# Altium PCB FPC-R-V2.1.PcbDoc
Units mm, origin at the board's own origin, x right, y up, seen from the top; angles counter-clockwise.
Board outline 16.62 x 30.56 mm, 2 copper layers (Top Layer, Bottom Layer); 10 components, 11 nets, 36 pads, 42 vias.
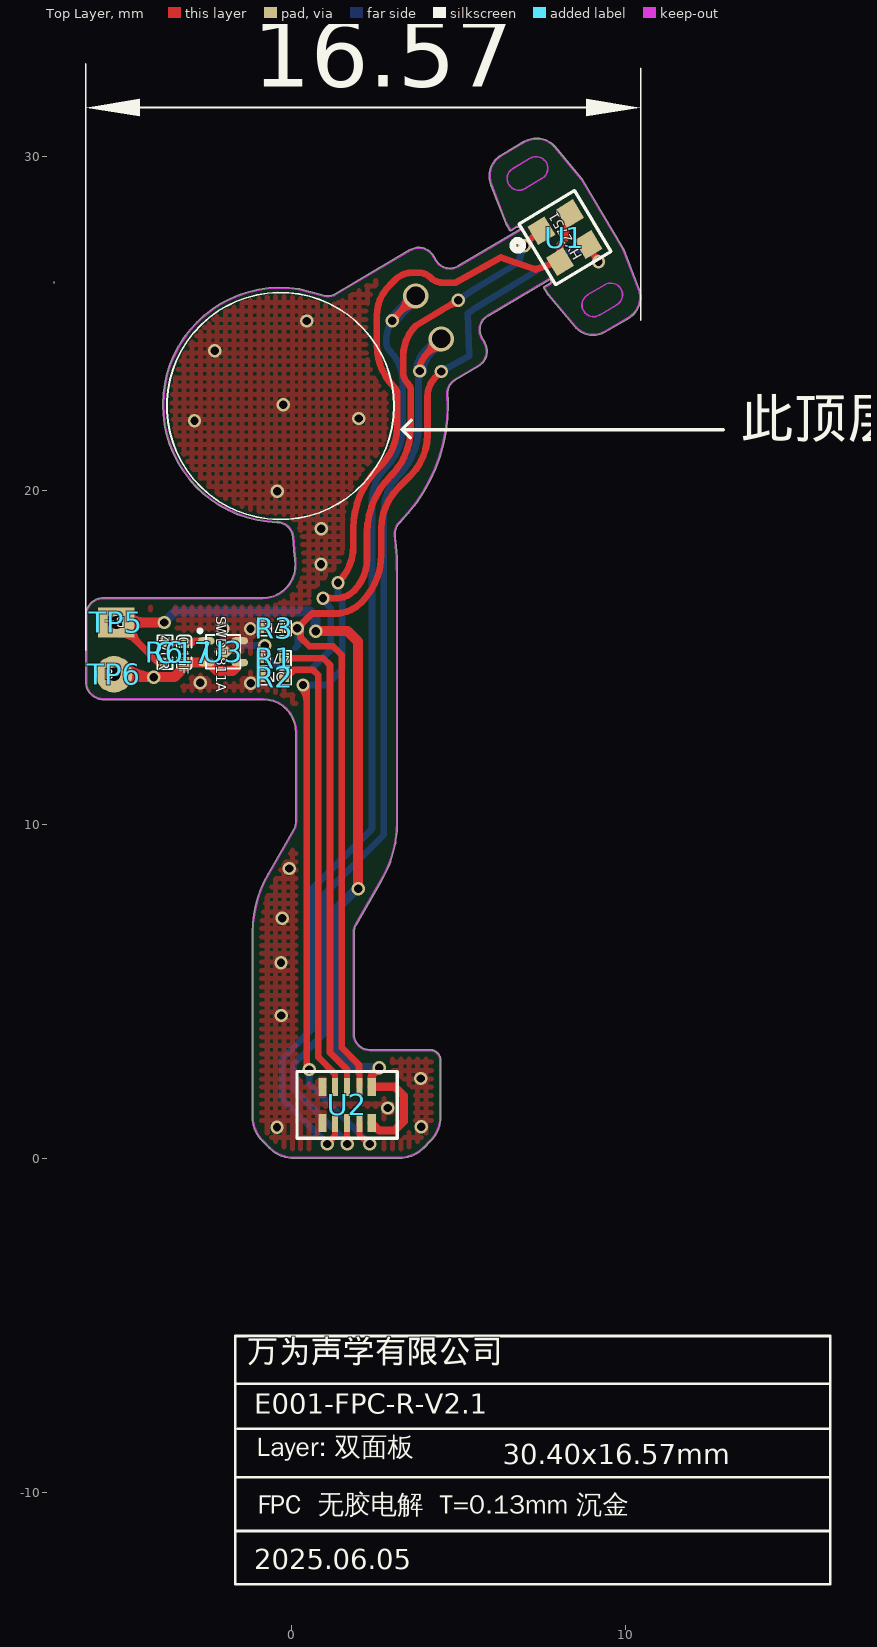
[diagram p0: Top Layer view]
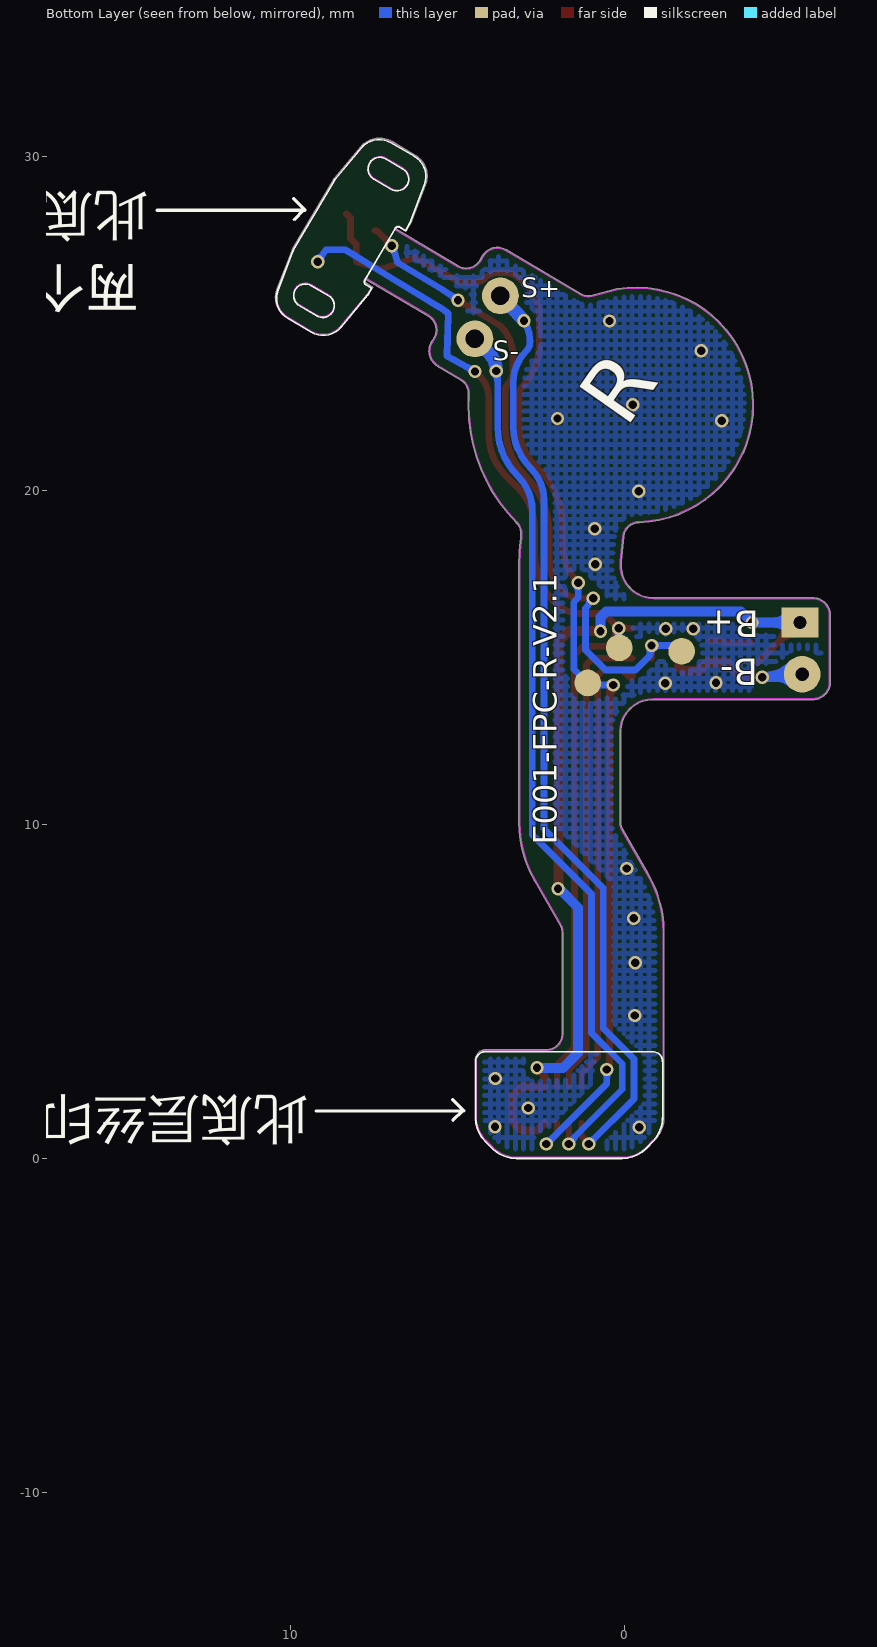
[diagram p1: Bottom Layer view, seen from below]
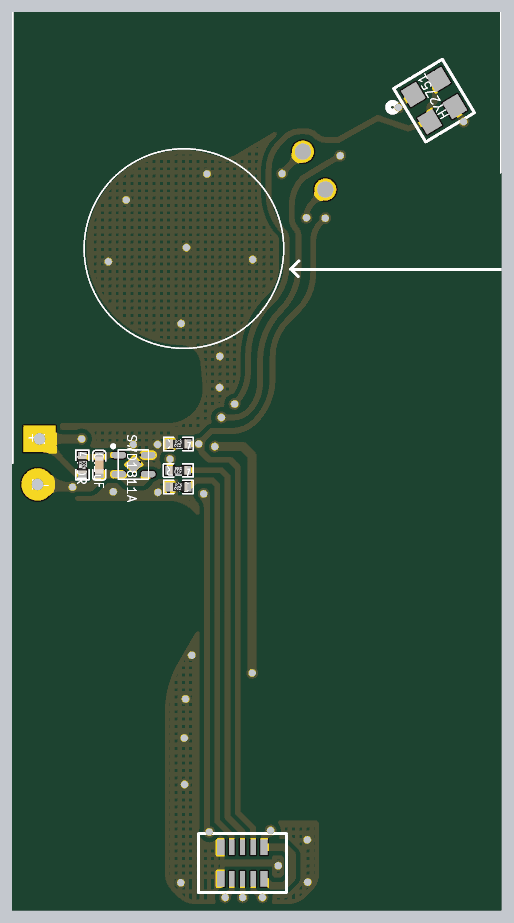
[diagram p2: 3D render of the assembled board from above, using the file's embedded part models]

## Layer stack, top to bottom
Top Layer: signal copper 0.0356
Dielectric: dielectric 0.32, FR-4, Dk 4.8
Bottom Layer: signal copper 0.0356

## Board outline
1266 vertices, not listed, extent -6.166,0.005 10.455,30.56

## Design rules (kind name [scope] priority, off if disabled: settings)
Clearance [All] p1: gap=0.15
ComponentClearance [All] p1: gap=0 collisioncheckmode=3 verticalgap=0 showdistances=FALSE
HoleToHoleClearance [All] p1: gap=0 allowstackedmicrovias=TRUE
MinimumSolderMaskSliver [All] p1: minsoldermaskwidth=0
PlaneConnect [All] p1: planeconnectstyle=Direct reliefexpansion=0.508 reliefentries=4 reliefconductorwidth=0.254 reliefairgap=0.254
PolygonConnect [All] p1: connectstyle=Direct reliefconductorwidth=0.254 reliefentries=4 polygonreliefangle="90 Angle"
RoutingVias [All] p1: holewidth=0.25 width=0.4 viastyle="Through Hole" minholewidth=0.2 minwidth=0.4 maxholewidth=0.711 maxwidth=1.27
SilkToSilkClearance [All] p1: silktosilkclearance=0
SilkscreenOverComponentPads SilkToSolderMaskClearance [IsPad] p1: minsilkscreentomaskgap=0
SolderMaskExpansion [All] p1: expansion=0.05
Width [All] p1: maxlimit=0.5 minlimit=0.15 preferedwidth=0.15
22 further rules are at their usual default settings.

## Components (designator, comment, footprint, x,y, rotation, side; value= is the part's Value field where it differs from the comment)
C17 "0.1uF" C0201 -3.222,14.861 r90 top
R1 "47R" R0201 -0.815,14.982 r0 top
R2 "NC" R0201 -0.812,14.416 r0 top
R3 "47K" R0201 -0.813,15.881 r0 top
R6 "470R" R0201 -3.797,14.873 r90 top
TP5 "B+" TP#1 -5.255,16.051 r90 top
TP6 "B-" TP#2 -5.32,14.5 r90 top
U1 "HY2751" SMD_HY 8.188,27.578 r121 top
U2 "" KX035GM-08 1.66,1.6 r0 top
U3 "SWD1811A" DFN1X1-4 -2.554,15.499 r270 top

## Footprints (in the part's own frame and the unit in brackets; to place one, negate y for a bottom-side part, rotate by r counter-clockwise, add the part's x,y. Pads: shape width x height; smd on the part's side, far side on the other; paste and mask are expansions set on the pad)
C0201 [mm]
  rect 0.3x0.3 smd: 1(0,0) 2(0.58,0)
  silkscreen extent -0.22,-0.23 0.8,0.22, body extent 0,-0.15 0.6,0.15, height 0.15
DFN1X1-4 [mm]
  rect 0.4x0.4 smd rot 45: 0(0.325,0.513)
  oval 0.22x0.5 smd: 1(0,0) 2(0.65,0) 3(0.65,1) 4(0,1)
  silkscreen extent -0.35,-0.25 0.83,1.01
KX035GM-08 [mm]
  rect 0.18x0.53 smd: 1(-0.367,-0.54) 2(0,-0.54) 3(0.367,-0.54) 5(0.367,0.54) 6(0,0.54) 7(-0.367,0.54)
  rect 0.25x0.53 smd: 4(0.735,-0.54) 4(0.735,0.54) 8(-0.735,-0.54) 8(-0.735,0.54)
  silkscreen extent -1.5,-1 1.5,1
R0201 [mm]
  rect 0.3x0.3 smd: 1(0,0) 2(0.58,0)
  silkscreen extent -0.22,-0.23 0.8,0.22, body extent 0,-0.15 0.6,0.15, height 0.15
SMD_HY [mm]
  rect 0.65x0.6 smd: 1(0.54,0.5) 2(-0.54,0.5) 3(-0.54,-0.5) 4(0.54,-0.5)
  silkscreen extent -1.06,-0.97 1.06,1.48
TP#1 [mm]
  rect 0.9x1.1 hole 0.4: 1(0,0)
TP#2 [mm]
  round 1.1 hole 0.4: 1(0,0)

## Part data
C17: library part CAP, "CAP"
R1: library part RC0201FR-07220RL
R2 R3: library part 0201WMF4702TEE
R6: library part RES, "RES"
TP5 TP6: library part TP-1, "TP"
U2: library part KX035GM-08
U3: library part XB6042

## Free pads (board coordinates)
  round 1.1 smd far side: 1(3.718,25.837) 2(4.482,24.546)
  round 0.8 smd far side: 2(0.16,15.29) 3(1.1,14.24) 4(-1.71,15.19)

## Via types
v1: diameter 0.4, hole 0.25, Top Layer to Bottom Layer, tented both sides, 40 vias
v2: diameter 0.75, hole 0.55, Top Layer to Bottom Layer, 2 vias

## Nets (pads, with @x,y where several pads share a name; then routed paths per layer and width w, separated by ;. In a path a pad name is that pad's centre, name@x,y a point inside that pad or via, vN(x,y) a via of type N, cw(c..) or ccw(c..) an arc to the next point about the centre after c; other vN are vias at no path point)
BOAT_PL: R2.2 U2.7 | length 13.7
  Top Layer w0.18: 1.268,2.558 1.292,2.534 U2.7
  Top Layer w0.2: R2.2@-0.242,14.466 R2.2@-0.232,14.466 ; R2.2 -0.147,14.416 0.068,14.631 0.638,14.631 0.8,14.47 0.8,14.33 0.8,14.246 0.8,3.027 1.268,2.558
EAR_DET_IO0: R1.2 U2.6 | length 14.3
  Top Layer w0.18: U2.6 1.66,2.63
  Top Layer w0.2: R1.2 0.949,14.981 1.15,14.78 1.15,14.34 1.15,3.171 1.66,2.661 1.66,2.63
EAR_DET_IO1: pad.2@0.16,15.29 R3.2 U1.3 U2.5 | length 37.1
  Top Layer w0.18: U2.5 2.027,2.55
  Top Layer w0.2: R3.2 0.16,15.881 v1@0.19,15.911 ; -0.074,15.881 cw(c-0.074,15.636) v1@0.099,15.809 ; -0.069,15.881 ccw(c-0.069,16.119) v1@0.099,15.951 ; -0.054,15.881 cw(c-0.054,15.636) v1@0.119,15.809 ; -0.049,15.881 ccw(c-0.049,16.119) v1@0.119,15.951 ; v1@0.133,15.787 cw(c0.054,15.586) 0.27,15.586 ; v1@0.146,15.79 cw(c0.05,15.592) 0.27,15.592 ; v1@0.17,15.98 ccw(c0.17,16.23) 0.347,16.053 ; v1@0.27,15.976 0.614,16.32 1.3,16.32 ; 0.338,16.044 ccw(c0.503,15.88) 0.27,15.88 0.27,15.604 0.534,15.34 1.24,15.34 1.5,15.08 1.5,3.316 2.02,2.796 2.02,2.55 ; 1.4,16.32 1.3,16.32 ; v1@4.52,23.61 4.317,23.407 ccw(c4.915,22.81) 4.07,22.81 4.07,21.681 cw(c2.329,21.681) 3.56,20.45 3.201,20.091 ccw(c4.443,18.85) 2.687,18.85 2.687,18.099 cw(c0.632,18.099) 2.085,16.645 ; 9.053,27.059 ccw(c9.252,27.196) v1@9.208,26.958 ; 1.3,16.32 ccw(c1.3,17.431) 2.085,16.645 ; 1.3,16.32 ccw(c1.3,17.431) 2.085,16.645
  Bottom Layer w0.2: v1@0.099,15.809 cw(c-0.12,15.59) pad.2@0.19,15.59 ; pad.2@0.11,15.29 0.19,15.37 v1@0.19,15.88 ; v1(4.48,23.57) 5.102,23.912 5.32,24.032 5.28,25.312 5.533,25.489 7.313,26.573 8.107,27.056 8.36,27.21 8.94,27.22 v1(9.19,26.86) ; v1@4.508,23.666 ccw(c4.575,23.898) 4.691,23.686 ccw(c4.808,23.475) v1@4.576,23.542 ; v1@9.092,26.878 ccw(c8.854,26.921) 9.052,27.058 ccw(c9.251,27.196) v1@9.208,26.958 ; pad.2@0.19,15.639 cw(c0.431,15.639) 0.261,15.809 ccw(c0.431,15.639) pad.2@0.19,15.639 ; pad.2@0.19,15.639 ccw(c-0.051,15.639) 0.119,15.809 cw(c-0.051,15.639) pad.2@0.19,15.639
  other v1: 0.17,15.88
GND: R2.1 R3.1 U2.8 U3.0 U3.4
  other v1: -0.44,0.93 3.88,0.95 2.88,1.51 3.87,2.39 -0.31,4.28 -0.32,5.86 -0.28,7.19 -0.07,8.68 -1.22,14.23 -2.74,14.25 -2.06,15.86 -1.23,15.86 0.88,17.8 0.89,18.86 -0.43,19.98 -2.91,22.09 2.01,22.16 -0.25,22.57 -2.3,24.19 0.45,25.08
IOVDD: pad.3 U1.2 U1.4 U2.3 | length 41.4
  Top Layer w0.18: U2.3 2.027,0.699 v1@2.296,0.43
  Top Layer w0.2: v1(0.34,14.18) v1@0.36,14.2 ; v1@0.45,2.74 v1@0.45,14.11 ; 2.55,24.623 2.55,24.77 ; 2.55,25.112 2.55,25.23 ; 2.66,20.73 ccw(c1.453,21.937) 3.16,21.937 3.16,22.01 3.16,22.15 3.16,22.897 ccw(c2.887,22.897) 3.08,23.09 cw(c4.36,24.37) 2.55,24.37 2.55,24.77 ; 2.8,20.88 2.594,20.674 ccw(c4.39,18.878) 1.85,18.878 1.85,18.351 ; U1.4 8.21,28.17 8.21,27.55 8.037,27.377 U1.2 7.635,26.736 7.318,26.628 7.31,26.625 7.275,26.637 6.375,26.948 6.27,26.986 4.914,26.23 4.536,26.23 cw(c4.536,26.776) 4.15,26.39 ccw(c3.812,26.052) 3.812,26.53 3.61,26.53 ccw(c3.61,25.82) 3.108,26.322 2.928,26.142 ccw(c3.839,25.23) 2.55,25.23 ; 1.85,18.351 cw(c0.279,18.351) v1(1.39,17.24) ccw(c0.279,18.351) 1.85,18.351 ; 2.55,24.77 2.55,25.23 ; v1@0.269,14.109 cw(c-0.167,13.673) 0.45,13.673 ccw(c-0.167,13.673) v1@0.269,14.109
  Bottom Layer w0.2: v1@0.34,14.241 v1(0.34,14.18) 1.04,14.18 pad.3 1.52,14.66 1.52,16.66 1.39,16.79 v1(1.39,17.24) ; v1(0.53,2.66) 0.53,2.24 v1(2.34,0.43) ; v1@1.319,17.169 cw(c1.149,16.999) 1.39,16.999 cw(c1.631,16.999) v1@1.461,17.169 ; 0.53,2.419 cw(c0.771,2.419) 0.601,2.589 ccw(c0.771,2.419) 0.53,2.419 ; 0.53,2.419 ccw(c0.289,2.419) 0.459,2.589 cw(c0.289,2.419) 0.53,2.419 ; 0.581,14.18 cw(c0.581,14.421) 0.411,14.251 ccw(c0.581,14.421) 0.581,14.18 ; 0.581,14.18 ccw(c0.581,13.939) 0.411,14.109 cw(c0.581,13.939) 0.581,14.18 ; 2.169,0.601 cw(c1.999,0.43) 2.24,0.43 ccw(c1.999,0.43) 2.169,0.601 ; 2.169,0.601 ccw(c2.34,0.771) 2.34,0.53 cw(c2.34,0.771) 2.169,0.601
NetC17_2: C17.2 R6.2 U3.1 | length 1.3
  Top Layer w0.2: R6.2@-3.787,15.443 -2.957,15.443 -2.901,15.499 U3.1
NetR1_1: pad.4 R1.1 U1.1 | length 22.7
  Top Layer w0.2: v1@-0.881,15.289 cw(c-1.038,15.132) -0.815,15.132 ; R1.1 -0.815,15.355 v1(-0.81,15.36) ; R1.1@-0.815,15.105 cw(c-0.555,15.105) v1@-0.739,15.289 ; v1(0.94,16.78) 1.353,16.78 ccw(c1.353,17.497) 1.86,16.99 ccw(c0.894,17.956) 2.26,17.956 2.26,18.74 cw(c4.65,18.74) 2.96,20.43 2.969,20.439 ccw(c1.518,21.89) 3.57,21.89 3.57,22.993 ccw(c3.263,22.993) 3.48,23.21 cw(c3.818,23.548) 3.34,23.548 3.34,24.023 cw(c4.637,24.023) 3.72,24.94 4.487,25.402 v1(4.99,25.699) ; v1@1.011,16.709 cw(c1.181,16.539) 1.181,16.78 cw(c1.181,17.021) v1@1.011,16.851 ; v1@4.893,25.724 cw(c4.659,25.784) 4.782,25.576 cw(c4.905,25.368) v1@4.965,25.602 ; v1(6.97,27.34) 7.413,27.783 U1.1 ; v1@6.97,27.44 ccw(c6.97,27.681) 7.141,27.511 ccw(c7.311,27.34) v1@7.07,27.34
  Bottom Layer w0.2: pad.4 -1.54,15.36 v1(-0.81,15.36) ; v1@-0.881,15.289 ccw(c-1.051,15.119) -1.051,15.36 ccw(c-1.051,15.601) v1@-0.881,15.431 ; v1@-0.871,15.281 cw(c-1.043,15.056) -0.76,15.056 ; v1@-0.76,15.34 -0.76,15.06 -0.33,14.63 0.571,14.63 1.17,15.229 1.17,16.48 ; v1@1.04,16.772 ccw(c1.367,16.747) 1.135,16.515 ; v1@5.01,25.797 ccw(c5.05,25.992) 5.16,25.826 ; v1@5.06,25.76 5.447,26.015 6.793,26.829 v1@6.951,27.328 ; v1@5.088,25.679 cw(c5.366,25.622) 5.21,25.859 ; 6.872,27.08 cw(c7.15,26.993) v1@7.016,27.251 ; v1@6.881,27.294 cw(c6.711,27.206) 6.894,27.148
SPKN: pad.2@4.482,24.546 U2.2 | length 41.1
  Top Layer w0.18: v1@1.66,0.47 U2.2 ; v1@1.592,0.508 ccw(c1.429,0.671) 1.66,0.671 ; v1@1.592,0.508 ccw(c1.429,0.671) 1.66,0.671 ; v1@1.592,0.508 ccw(c1.429,0.671) 1.66,0.671 ; v1@1.592,0.508 ccw(c1.429,0.671) 1.66,0.671 ; v1@1.592,0.508 ccw(c1.429,0.671) 1.66,0.671 ; v1@1.592,0.508 ccw(c1.429,0.671) 1.66,0.671 ; v1@1.592,0.508 ccw(c1.429,0.671) 1.66,0.671 ; v1@1.592,0.508 ccw(c1.429,0.671) 1.66,0.671 ; v1@1.592,0.508 ccw(c1.429,0.671) 1.66,0.671 ; v1@1.592,0.508 ccw(c1.429,0.671) 1.66,0.671 ; 1.66,0.72 ccw(c1.96,0.72) v1@1.748,0.508 ; 1.66,0.72 ccw(c1.96,0.72) v1@1.748,0.508 ; 1.66,0.72 ccw(c1.96,0.72) v1@1.748,0.508 ; 1.66,0.72 ccw(c1.96,0.72) v1@1.748,0.508 ; 1.66,0.72 ccw(c1.96,0.72) v1@1.748,0.508 ; 1.66,0.72 ccw(c1.96,0.72) v1@1.748,0.508 ; 1.66,0.72 ccw(c1.96,0.72) v1@1.748,0.508 ; 1.66,0.72 ccw(c1.96,0.72) v1@1.748,0.508 ; 1.66,0.72 ccw(c1.96,0.72) v1@1.748,0.508 ; 1.66,0.72 ccw(c1.96,0.72) v1@1.748,0.508
  Top Layer w0.2: v1(3.84,23.582) cw(c3.738,23.582) 3.81,23.51 cw(c4.655,23.51) 4.057,24.107 4.5,24.55 ccw(c4.5,24.502) v2@4.466,24.536 ; 4.079,24.129 cw(c4.482,23.726) v2@4.482,24.296 ; v2@4.208,24.518 cw(c3.711,24.468) 4.065,24.115 ; v2@4.232,24.538 cw(c3.659,24.52) 4.065,24.115 ; v2@4.25,24.55 cw(c3.646,24.55) 4.073,24.123 cw(c4.5,23.696) v2@4.5,24.3 ; v2@4.469,24.271 ccw(c4.444,23.735) 4.065,24.115
  Bottom Layer w0.2: v1@1.67,0.466 0.068,2.068 0.068,2.835 0.99,3.756 0.99,7.92 2.76,9.69 2.76,10.28 2.76,10.38 2.76,19.392 cw(c4.228,19.392) 3.19,20.43 ccw(c1.717,21.903) 3.8,21.903 3.8,23.06 3.8,23.516 cw(c4.679,23.516) 4.057,24.137 pad.2@4.16,24.24 ; v1(3.84,23.582) v1@3.84,23.65 ; 4.05,24.13 cw(c4.453,23.726) pad.2@4.473,24.296 ; 4.067,24.147 ccw(c3.667,24.546) pad.2@4.232,24.546 ; 1.474,0.663 cw(c1.241,0.43) v1@1.57,0.43 ; 1.474,0.663 cw(c1.241,0.43) v1@1.57,0.43 ; 1.474,0.663 cw(c1.241,0.43) v1@1.57,0.43 ; 1.474,0.663 cw(c1.241,0.43) v1@1.57,0.43 ; 1.474,0.663 cw(c1.241,0.43) v1@1.57,0.43 ; 1.474,0.663 cw(c1.241,0.43) v1@1.57,0.43 ; 1.474,0.663 cw(c1.241,0.43) v1@1.57,0.43 ; 1.474,0.663 cw(c1.241,0.43) v1@1.57,0.43 ; 1.474,0.663 cw(c1.241,0.43) v1@1.57,0.43 ; 1.474,0.663 cw(c1.241,0.43) v1@1.57,0.43 ; 3.8,23.244 cw(c4.178,23.244) v1@3.911,23.512 ; 3.8,23.244 cw(c4.178,23.244) v1@3.911,23.512 ; 3.8,23.244 cw(c4.178,23.244) v1@3.911,23.512
  Bottom Layer w0.4: v1(3.84,23.582) cw(c4.616,23.582) 4.067,24.131 v2(4.482,24.546) ; pad.2@4.332,24.546 cw(c3.97,24.546) 4.226,24.29 cw(c4.482,24.034) pad.2@4.482,24.396
  other v1: 1.67,0.43
SPKP: pad.1 U2.1 | length 47.8
  Top Layer w0.18: v1@1.07,0.452 1.292,0.675 U2.1 ; v1@1.07,0.54 ccw(c1.07,0.752) 1.22,0.602 ; v1@1.07,0.54 ccw(c1.07,0.752) 1.22,0.602 ; v1@1.07,0.54 ccw(c1.07,0.752) 1.22,0.602 ; v1@1.07,0.54 ccw(c1.07,0.752) 1.22,0.602 ; v1@1.07,0.54 ccw(c1.07,0.752) 1.22,0.602 ; v1@1.07,0.54 ccw(c1.07,0.752) 1.22,0.602 ; v1@1.07,0.54 ccw(c1.07,0.752) 1.22,0.602 ; v1@1.07,0.54 ccw(c1.07,0.752) 1.22,0.602 ; v1@1.07,0.54 ccw(c1.07,0.752) 1.22,0.602 ; v1@1.07,0.54 ccw(c1.07,0.752) 1.22,0.602 ; v1@1.18,0.43 cw(c1.499,0.43) 1.274,0.656 ; v1@1.18,0.43 cw(c1.499,0.43) 1.274,0.656 ; v1@1.18,0.43 cw(c1.499,0.43) 1.274,0.656 ; v1@1.18,0.43 cw(c1.499,0.43) 1.274,0.656 ; v1@1.18,0.43 cw(c1.499,0.43) 1.274,0.656 ; v1@1.18,0.43 cw(c1.499,0.43) 1.274,0.656 ; v1@1.18,0.43 cw(c1.499,0.43) 1.274,0.656 ; v1@1.18,0.43 cw(c1.499,0.43) 1.274,0.656 ; v1@1.18,0.43 cw(c1.499,0.43) 1.274,0.656 ; v1@1.18,0.43 cw(c1.499,0.43) 1.274,0.656
  Top Layer w0.2: v1(3.01,25.09) cw(c3.058,25.09) 3.024,25.124 v2@3.75,25.85 ; 3.235,25.335 ccw(c2.733,25.837) v2@3.443,25.837 ; 3.278,25.378 ccw(c2.819,25.837) v2@3.468,25.837 ; 3.281,25.381 cw(c3.718,24.944) v2@3.718,25.562 ; v2@3.5,25.85 cw(c2.896,25.85) 3.323,25.423 ; v2@3.718,25.587 ccw(c3.718,25.029) 3.324,25.424 ; v2@3.75,25.6 ccw(c3.75,24.996) 3.323,25.423 ; v1@3.01,25.19 ccw(c3.01,25.383) 3.147,25.247 ; v1@3.01,25.19 ccw(c3.01,25.383) 3.147,25.247 ; v1@3.01,25.19 ccw(c3.01,25.383) 3.147,25.247 ; v1@3.11,25.09 cw(c3.4,25.09) 3.195,25.295 ; v1@3.11,25.09 cw(c3.4,25.09) 3.195,25.295 ; v1@3.11,25.09 cw(c3.4,25.09) 3.195,25.295
  Bottom Layer w0.2: v1(1.07,0.43) -0.282,1.782 -0.282,2.98 0.64,3.901 0.64,8.1 2.41,9.87 2.41,10.55 2.41,10.65 2.41,19.704 cw(c3.776,19.704) 2.81,20.67 ccw(c1.555,21.925) 3.33,21.925 3.33,23.248 ccw(c1.998,23.248) 2.94,24.19 cw(c3.206,24.456) 2.83,24.456 cw(c4.021,24.456) 2.864,24.739 cw(c4.021,24.456) 3.179,25.298 ; v1@3.109,25.101 cw(c3.35,25.127) 3.179,25.298 ; 3.291,25.41 cw(c3.75,24.951) pad.1@3.75,25.6 ; pad.1@3.337,25.456 ccw(c2.942,25.85) pad.1@3.5,25.85 ; pad.1@3.443,25.837 cw(c2.779,25.837) 3.249,25.368 cw(c3.718,24.898) pad.1@3.718,25.562 ; pad.1@3.468,25.837 cw(c2.864,25.837) 3.291,25.41 cw(c3.718,24.983) pad.1@3.718,25.587 ; pad.1@3.68,25.76 pad.1@3.72,25.8 ; v2(3.718,25.837) 3.179,25.298 ; 0.899,0.601 cw(c0.729,0.43) v1@0.97,0.43 ; 0.899,0.601 ccw(c1.07,0.771) v1@1.07,0.53 ; 0.899,0.601 cw(c0.729,0.43) v1@0.97,0.43 ; 0.899,0.601 ccw(c1.07,0.771) v1@1.07,0.53 ; 0.899,0.601 cw(c0.729,0.43) v1@0.97,0.43 ; 0.899,0.601 ccw(c1.07,0.771) v1@1.07,0.53 ; 0.899,0.601 cw(c0.729,0.43) v1@0.97,0.43 ; 0.899,0.601 ccw(c1.07,0.771) v1@1.07,0.53 ; 0.899,0.601 cw(c0.729,0.43) v1@0.97,0.43 ; 0.899,0.601 ccw(c1.07,0.771) v1@1.07,0.53 ; 0.899,0.601 cw(c0.729,0.43) v1@0.97,0.43 ; 0.899,0.601 ccw(c1.07,0.771) v1@1.07,0.53 ; 0.899,0.601 ccw(c1.07,0.771) v1@1.07,0.53 ; 0.899,0.601 cw(c0.729,0.43) v1@0.97,0.43 ; 0.899,0.601 ccw(c1.07,0.771) v1@1.07,0.53 ; 0.899,0.601 cw(c0.729,0.43) v1@0.97,0.43 ; 0.899,0.601 ccw(c1.07,0.771) v1@1.07,0.53 ; 0.899,0.601 cw(c0.729,0.43) v1@0.97,0.43 ; 0.899,0.601 ccw(c1.07,0.771) v1@1.07,0.53 ; 0.899,0.601 cw(c0.729,0.43) v1@0.97,0.43 ; v1@3.11,25.09 cw(c3.446,25.09) 3.208,25.327 ; v1@3.11,25.09 cw(c3.446,25.09) 3.208,25.327 ; v1@3.11,25.09 cw(c3.446,25.09) 3.208,25.327
  Bottom Layer w0.4: v1@3.06,25.14 v2(3.718,25.837) ; pad.1@3.543,25.832 cw(c3.121,25.82) 3.428,25.53 cw(c3.735,25.24) pad.1@3.723,25.662 ; pad.1@3.568,25.833 cw(c3.206,25.822) 3.469,25.574 cw(c3.733,25.325) pad.1@3.722,25.687
VBAT: R6.1 TP5.1 U2.4 | length 35.2
  Top Layer w0.2: TP5.1@-5.201,16.051 -4.013,14.863 R6.1@-3.797,14.863 ; TP5.1@-5.155,15.701 cw(c-5.155,14.966) -4.635,15.485 ccw(c-5.155,14.966) TP5.1@-5.155,15.701 ; TP5.1@-4.805,16.051 ccw(c-3.851,16.051) -4.526,15.376 cw(c-3.851,16.051) TP5.1@-4.805,16.051
  Top Layer w0.25: U2.4@2.395,1.06 2.623,0.832 3.082,0.832 3.355,1.105 3.355,1.883 3.1,2.138 ; U2.4@2.395,2.14 3.1,2.14 ; U2.4@2.395,2.392 cw(c2.639,2.392) v1@2.624,2.635
  Top Layer w0.3: TP5.1 -5.201,16.051 v1(-3.82,16.05) ; v1(0.72,15.79) 1.68,15.79 1.982,15.488 1.982,9.2 ; v1@1.982,8.105 1.982,9.2 ; 1.982,8.768 1.982,9.2 ; -4.431,16.051 cw(c-4.431,16.775) -4.943,16.263 ccw(c-4.431,16.775) -4.431,16.051 ; -4.431,16.051 ccw(c-4.431,15.327) -4.943,15.839 cw(c-4.431,15.327) -4.431,16.051
  Bottom Layer w0.3: TP5.1 v1@-3.822,16.051 ; TP5.1@-4.943,15.839 cw(c-4.431,15.327) -4.431,16.051 cw(c-4.431,16.775) TP5.1@-4.943,16.263 ; v1(0.72,15.79) 0.72,16.21 0.55,16.38 -3.49,16.38 v1(-3.82,16.05) ; v1@1.974,8.096 1.39,7.513 1.39,3.16 1.84,2.71 v1(2.62,2.71) ; v1@-3.822,16.051 cw(c-3.822,16.048) v1(-3.82,16.05) ; v1@-3.822,16.051 cw(c-3.822,16.048) v1(-3.82,16.05) ; v1@-3.822,16.051 cw(c-3.822,16.048) v1(-3.82,16.05) ; v1@-3.822,16.051 cw(c-3.822,16.048) v1(-3.82,16.05)
  other v1: 1.992,8.078
VBAT-: C17.1 TP6.1 U3.2 U3.3 | length 8.3
  Top Layer w0.3: TP6.1 -5.233,14.413 -4.09,14.413 -3.512,14.413 -3.076,14.849 -2.479,14.849 -2.222,14.592 -1.768,14.592 -1.63,14.73 ; TP6.1@-5.037,14.217 cw(c-4.564,13.744) -4.564,14.413 ; TP6.1@-5.037,14.783 ccw(c-4.145,15.675) v1@-4.145,14.413
  Bottom Layer w0.3: TP6.1 -5,14.5 -4.92,14.42 -4.14,14.42 v1(-4.13,14.41) ; TP6.1@-5.037,14.217 cw(c-4.547,13.727) -4.547,14.42 ; TP6.1@-5.037,14.783 ccw(c-4.161,15.659) v1@-4.161,14.42

## Polygon pours and split planes (outlines as drawn)
GND on Bottom Layer "Top Layer-No Net" (hatched 90Degree grid 0.25 track 0.15, remove dead copper, pour order 1000): -6.29,30.86 -6.29,-0.24 10.57,-0.24 10.77,-0.24 10.77,30.91 10.77,30.71 -6.23,30.71
GND on Top Layer "Top Layer-No Net" (hatched 90Degree grid 0.25 track 0.15, remove dead copper, pour order 1001): -6.34,30.86 -6.34,-0.24 10.72,-0.24 10.67,-0.24 10.67,30.86 10.67,30.91 -6.29,30.91

## Keep-outs
Keep-Out Layer:
  circle w0.025: c-6.141,15.766 r0.012
  circle w0.025: c10.43,25.791 r0.012
  lines w0.05: -0.218,0.069 ccw(c0.059,1.034) -0.176,0.058 ccw(c0.059,1.032) 0.058,0.03 3.23,0.03 ccw(c3.23,1.032) 3.464,0.058 ccw(c3.229,1.034) 3.506,0.069 ccw(c3.229,1.032) 3.714,0.156 ccw(c3.228,1.034) 3.752,0.177 ccw(c3.229,1.032) 3.937,0.323 4.151,0.537 ccw(c3.442,1.246) 4.297,0.723 ccw(c3.441,1.247) 4.319,0.76 ccw(c3.442,1.245) 4.405,0.969 ccw(c3.44,1.245) 4.416,1.01 ccw(c3.442,1.245) 4.444,1.245 4.444,2.93 4.444,2.933 4.444,2.935 4.444,2.938 4.444,2.941 4.444,2.943 4.444,2.946 4.443,2.949 4.443,2.952 ccw(c4.143,2.93) 4.435,3.003 ccw(c4.148,2.931) 4.433,3.012 4.432,3.014 ccw(c4.142,2.93) 4.425,3.037 ccw(c4.144,2.93) 4.383,3.111 ccw(c4.143,2.929) 4.325,3.17 ccw(c4.144,2.931) 4.25,3.211 ccw(c4.143,2.928) 4.228,3.218 ccw(c4.145,2.935) 4.219,3.221 ccw(c4.145,2.932) 4.206,3.224 ccw(c4.144,2.929) 4.163,3.23 4.16,3.23 4.157,3.23 4.155,3.23 4.152,3.23 4.15,3.23 4.147,3.23 4.144,3.23 ; -0.218,0.069 cw(c0.059,1.032) -0.426,0.156 cw(c0.06,1.034) -0.463,0.177 cw(c0.06,1.032) -0.649,0.323 -0.863,0.537 cw(c-0.154,1.246) -1.009,0.723 cw(c-0.152,1.247) -1.031,0.76 cw(c-0.154,1.245) -1.117,0.969 cw(c-0.152,1.245) -1.128,1.01 cw(c-0.154,1.245) -1.156,1.245 -1.156,6.757 cw(c2.356,6.756) -1.113,7.306 cw(c2.349,6.756) -1.083,7.466 cw(c2.346,6.756) -0.979,7.856 cw(c2.349,6.755) -0.924,8.01 cw(c2.355,6.752) -0.687,8.507 0.077,9.83 ccw(c-0.358,10.081) 0.136,9.993 ccw(c-0.36,10.081) 0.144,10.08 0.144,12.766 ccw(c-0.856,12.766) -0.856,13.766 -5.641,13.766 cw(c-5.641,14.266) -6.141,14.266 -6.141,16.266 cw(c-5.641,16.266) -5.641,16.766 -0.871,16.766 ccw(c-0.871,17.766) 0.127,17.831 ccw(c-7.769,17.314) 0.119,17.937 ccw(c-8.859,17.228) 0.11,18.044 0.055,18.617 ccw(c-0.443,18.569) -0.429,19.069 cw(c-0.337,22.568) 0.218,26.024 0.901,25.841 ccw(c1.078,26.309) 1.332,25.879 3.551,27.191 cw(c3.806,26.76) 4.236,27.015 4.312,26.886 ccw(c4.743,27.14) 4.997,26.71 6.848,27.804 ; 6.842,27.8 6.89,27.83 ; 6.886,27.837 6.865,27.873 ccw(c6.771,27.815) 6.862,27.879 ccw(c6.772,27.816) 6.859,27.882 ccw(c6.773,27.817) 6.857,27.885 ccw(c6.774,27.817) 6.855,27.887 ccw(c6.774,27.818) 6.854,27.889 ccw(c6.775,27.819) 6.852,27.891 ccw(c6.776,27.82) 6.85,27.892 ccw(c6.777,27.82) 6.849,27.894 ccw(c6.778,27.821) 6.848,27.895 ccw(c6.778,27.822) 6.846,27.896 ccw(c6.779,27.823) 6.845,27.898 ccw(c6.78,27.823) 6.844,27.899 ccw(c6.78,27.824) 6.842,27.9 ccw(c6.781,27.825) 6.841,27.901 ccw(c6.782,27.826) 6.839,27.902 ccw(c6.782,27.826) 6.836,27.904 ccw(c6.781,27.825) 6.833,27.906 ccw(c6.781,27.824) 6.83,27.909 ccw(c6.78,27.823) 6.825,27.911 ccw(c6.779,27.821) 6.788,27.922 ccw(c6.779,27.822) 6.782,27.922 ccw(c6.779,27.823) 6.777,27.922 ccw(c6.779,27.824) 6.773,27.922 ccw(c6.779,27.825) 6.769,27.922 ccw(c6.779,27.826) 6.765,27.921 ccw(c6.779,27.826) 6.763,27.921 ccw(c6.779,27.825) 6.762,27.92 ccw(c6.779,27.824) 6.76,27.92 ccw(c6.78,27.823) 6.758,27.92 6.757,27.919 ccw(c6.78,27.821) 6.755,27.919 ccw(c6.78,27.82) 6.753,27.918 ccw(c6.781,27.819) 6.751,27.918 ccw(c6.781,27.818) 6.749,27.917 ccw(c6.781,27.817) 6.747,27.917 ccw(c6.782,27.816) 6.744,27.916 ccw(c6.782,27.815) 6.742,27.915 ccw(c6.782,27.814) 6.739,27.913 ccw(c6.783,27.813) 6.735,27.912 ccw(c6.783,27.812) 6.728,27.908 6.556,27.806 6.454,27.978 6.453,27.981 cw(c6.733,28.141) 6.45,27.986 6.447,27.991 6.445,27.996 6.443,28 6.441,28.004 6.439,28.008 6.437,28.012 6.436,28.016 6.434,28.019 6.433,28.023 5.987,29.17 cw(c6.639,29.424) 6.283,30.026 6.981,30.439 cw(c7.337,29.837) 7.874,30.286 8.664,29.342 ; 7.711,26.34 7.754,26.36 ; 7.713,26.341 5.863,25.247 ccw(c6.117,24.816) 5.687,24.562 5.763,24.433 cw(c5.333,24.178) 5.587,23.748 4.898,23.34 ccw(c5.152,22.91) 4.653,22.879 cw(c-0.337,22.568) 3.222,19.056 3.219,19.053 3.216,19.05 3.214,19.047 3.211,19.045 3.208,19.042 3.206,19.039 3.203,19.035 3.2,19.032 3.197,19.029 ccw(c3.575,18.705) 3.145,18.955 ccw(c3.568,18.709) 3.137,18.94 3.133,18.934 ccw(c3.595,18.696) 3.085,18.794 3.084,18.788 3.083,18.782 3.082,18.776 3.081,18.77 3.08,18.764 3.079,18.757 ccw(c3.553,18.703) 3.078,18.747 ccw(c3.559,18.703) 3.077,18.738 ccw(c3.564,18.703) 3.077,18.728 ccw(c3.569,18.702) 3.076,18.717 ccw(c3.574,18.702) 3.076,18.704 ccw(c3.579,18.702) 3.076,18.69 ccw(c3.584,18.702) 3.077,18.669 ccw(c3.588,18.702) 3.079,18.644 cw(c-0.069,18.284) 3.085,18.586 3.11,18.329 cw(c-3.775,17.675) 3.133,18.014 3.133,18.012 3.133,18.007 3.133,18.002 3.134,17.997 3.134,17.992 3.134,17.987 3.134,17.982 3.134,17.977 3.135,17.973 3.135,17.968 3.135,17.963 3.135,17.958 3.135,17.954 3.136,17.949 3.136,17.945 3.136,17.94 3.136,17.936 3.136,17.931 3.137,17.927 3.137,17.922 3.137,17.918 3.137,17.914 3.137,17.91 3.137,17.906 3.137,17.901 3.138,17.897 3.138,17.893 3.138,17.889 3.138,17.885 3.138,17.881 3.138,17.877 3.138,17.874 3.138,17.87 3.139,17.866 3.139,17.862 3.139,17.859 3.139,17.855 3.139,17.851 3.139,17.848 3.139,17.844 3.139,17.84 3.139,17.836 3.14,17.832 3.14,17.828 3.14,17.825 3.14,17.821 3.14,17.817 3.14,17.814 3.14,17.81 3.14,17.807 3.14,17.803 3.14,17.799 3.14,17.796 3.141,17.792 cw(c-10.716,17.474) 3.143,17.688 cw(c-11.287,17.452) 3.144,17.349 3.144,10.08 cw(c-0.368,10.081) 3.101,9.531 cw(c-0.361,10.081) 3.071,9.37 cw(c-0.358,10.081) 2.967,8.981 cw(c-0.361,10.082) 2.912,8.827 cw(c-0.367,10.085) 2.675,8.33 1.911,7.007 ccw(c2.346,6.756) 1.852,6.844 ccw(c2.348,6.756) 1.844,6.757 1.844,3.73 ccw(c2.345,3.731) 2.344,3.23 4.144,3.23 ; 7.761,26.359 7.782,26.324 cw(c7.685,26.268) 7.784,26.319 cw(c7.686,26.269) 7.786,26.315 cw(c7.687,26.269) 7.787,26.312 cw(c7.688,26.27) 7.788,26.31 cw(c7.689,26.27) 7.789,26.308 cw(c7.69,26.27) 7.79,26.305 cw(c7.691,26.271) 7.791,26.303 cw(c7.692,26.271) 7.791,26.302 cw(c7.693,26.271) 7.792,26.3 cw(c7.694,26.272) 7.792,26.298 cw(c7.695,26.272) 7.793,26.296 cw(c7.696,26.272) 7.793,26.294 cw(c7.697,26.272) 7.794,26.293 cw(c7.698,26.273) 7.794,26.291 cw(c7.699,26.273) 7.794,26.289 cw(c7.7,26.273) 7.795,26.288 cw(c7.7,26.273) 7.795,26.283 cw(c7.699,26.273) 7.795,26.281 cw(c7.698,26.273) 7.796,26.277 cw(c7.697,26.273) 7.796,26.274 cw(c7.696,26.273) 7.796,26.269 cw(c7.695,26.273) 7.793,26.248 cw(c7.696,26.273) 7.791,26.243 cw(c7.695,26.273) 7.783,26.224 cw(c7.697,26.272) 7.781,26.221 cw(c7.698,26.272) 7.779,26.218 cw(c7.698,26.271) 7.778,26.216 cw(c7.699,26.27) 7.776,26.214 cw(c7.7,26.27) 7.774,26.211 cw(c7.698,26.271) 7.773,26.209 cw(c7.698,26.272) 7.772,26.208 cw(c7.697,26.272) 7.771,26.207 cw(c7.696,26.273) 7.769,26.205 cw(c7.695,26.274) 7.768,26.204 cw(c7.695,26.274) 7.767,26.203 cw(c7.694,26.275) 7.765,26.201 cw(c7.693,26.276) 7.764,26.2 cw(c7.692,26.277) 7.762,26.198 cw(c7.692,26.278) 7.761,26.197 cw(c7.691,26.278) 7.759,26.195 cw(c7.69,26.279) 7.756,26.193 cw(c7.69,26.28) 7.754,26.192 cw(c7.689,26.281) 7.751,26.189 cw(c7.688,26.282) 7.747,26.187 7.574,26.085 7.676,25.913 ccw(c7.954,26.079) 7.68,25.907 ccw(c7.951,26.077) 7.683,25.902 7.686,25.898 7.688,25.894 7.691,25.89 7.694,25.887 7.696,25.883 7.699,25.88 7.701,25.877 7.703,25.874 7.705,25.873 8.495,24.929 ccw(c9.031,25.378) 9.388,24.776 10.086,25.189 ccw(c9.73,25.791) 10.382,26.045 9.936,27.192 ; 8.636,29.372 cw(c8.436,29.151) 8.652,29.356 cw(c8.438,29.153) 8.668,29.337 8.671,29.334 8.674,29.33 8.676,29.326 8.679,29.322 8.682,29.318 8.685,29.314 cw(c8.418,29.138) 8.688,29.309 cw(c8.415,29.136) 8.692,29.303 8.692,29.302 9.914,27.236 9.915,27.234 9.917,27.232 9.918,27.23 9.919,27.228 9.92,27.226 9.921,27.223 9.924,27.219 cw(c9.648,27.08) 9.928,27.209 cw(c9.651,27.081) 9.932,27.202 cw(c9.654,27.082) 9.934,27.195 cw(c9.657,27.083) 9.937,27.189 cw(c9.66,27.084) 9.939,27.184 cw(c9.662,27.085) 9.94,27.179 9.942,27.175 cw(c9.659,27.084) 9.948,27.153 ; 4.144,3.23 4.144,3.23 ; 6.628,29.65 ccw(c6.806,29.348) 6.984,29.047 7.501,29.352 ccw(c7.323,29.654) 7.144,29.955 6.628,29.65 ; 8.868,25.862 ccw(c9.046,25.561) 9.224,25.26 9.741,25.565 ccw(c9.562,25.866) 9.384,26.168 8.868,25.862

## Silkscreen, mask and mechanical layers (free items; w line width, h text height)
Top Overlay:
  circle w0.025: c-7.119,26.236 r0.012
  circle w0.05: c-0.334,22.535 r3.4
  region: 10.425,31.477 8.825,31.21 8.825,31.743
  region: -4.546,31.21 -6.146,31.477 -4.546,31.743
  lines w0.05: -6.165,15.219 -6.165,32.787 ; -4.546,31.477 8.825,31.477 ; 10.454,25.114 10.454,32.657
  lines w0.08: -1.69,-7.463 -1.69,-5.373 ; -1.69,-7.4 -1.69,-12.757 16.098,-12.757 ; -1.69,-6.748 16.098,-6.748 ; -1.689,-5.323 16.138,-5.323 16.138,-12.75 ; -1.675,-9.552 16.098,-9.552 ; -1.645,-11.162 16.098,-11.162 ; -1.617,-8.099 16.098,-8.099
  lines w0.1: 3.32,21.82 12.93,21.82 ; 3.56,21.58 3.31,21.83 3.3,21.83 3.58,22.11
  text "16.57" at -1.16,32.102 h2
  text "此顶层丝印圆圈区域背双面胶" at 13.45,21.21 h2
  text "万为声学有限公司" at -1.344,-6.356 h1.2
  text "E001-FPC-R-V2.1" at -1.122,-7.653 h0.6
  text "Layer: 双面板" at -1.039,-9.116 h1
  text "30.40x16.57mm" at 6.33,-9.161 h0.6
  text "FPC  无胶电解  T=0.13mm 沉金" at -1.009,-10.836 h1
  text "2025.06.05" at -1.124,-12.315 h0.6
Bottom Overlay:
  drawing of 180 lines, arcs and shapes, not listed
  text "此底层丝印区域为钢片补强，厚度0.15mm" at 14.3,29.2 h2 r180
  text "两个椭圆孔位置，补强钢片开通孔" at 14.53,27.02 h2 r180
  text "S+" at 3.1,25.6 h1
  text "S-" at 3.94,23.71 h1
  text "R" at -0.54,21.48 h3.2 r305
  text "B+" at -4.036,16.407 h0.8 r180
  text "B-" at -4.009,14.969 h0.8 r180
  text "E001-FPC-R-V2.1" at 1.79,9.4 h1.2 r270
  text "此底层丝印区域为钢片补强，厚度0.15mm" at 9.5,2.11 h2 r180
Mechanical 13:
  drawing of 332 lines, arcs and shapes, not listed
  text "S+" at 2.155,26.148 h0.7
  text "S-" at 2.919,24.816 h0.7
  text "B+" at -3.998,16.364 h0.7 r180
  text "B-" at -4.005,14.901 h0.7 r180
Mechanical 15:
  circle w0.05: c7.914,28.064 r0.125
  circle w0.05: c8.454,27.151 r0.125
  circle w0.05: c-0.337,22.568 r3.4
  circle w0.05: c3.718,25.837 r0.5
  circle w0.05: c4.482,24.546 r0.5
  circle w0.05: c3.718,25.837 r0.25
  circle w0.05: c4.482,24.546 r0.25
  circle w0.05: c-5.343,14.464 r0.2
  circle w0.05: c-5.338,16.068 r0.2
  circle w0.05: c-5.338,16.068 r0.5
  circle w0.05: c-5.343,14.464 r0.5
  lines w0.05: 6.848,27.804 ccw(c6.771,27.934) 6.901,28.01 6.646,28.44 8.281,29.408 8.284,29.409 8.286,29.41 8.288,29.411 8.29,29.412 8.292,29.413 8.294,29.415 8.297,29.416 cw(c8.438,29.142) 8.307,29.421 cw(c8.437,29.144) 8.316,29.425 cw(c8.435,29.147) 8.323,29.428 cw(c8.434,29.15) 8.33,29.431 cw(c8.433,29.153) 8.336,29.433 cw(c8.432,29.156) 8.341,29.435 cw(c8.431,29.158) 8.346,29.436 cw(c8.433,29.152) 8.367,29.442 cw(c8.435,29.147) 8.418,29.449 cw(c8.434,29.151) 8.441,29.449 cw(c8.434,29.149) 8.577,29.413 cw(c8.435,29.151) 8.593,29.404 cw(c8.433,29.147) 8.636,29.372 ; 7.713,26.341 cw(c7.79,26.212) 7.919,26.288 8.173,25.858 9.809,26.825 ccw(c9.643,27.103) 9.814,26.828 ccw(c9.645,27.1) 9.819,26.832 ccw(c9.646,27.097) 9.824,26.835 ccw(c9.648,27.095) 9.829,26.838 9.833,26.841 9.837,26.844 9.841,26.847 9.844,26.85 9.847,26.853 ccw(c9.66,27.079) 9.856,26.86 ccw(c9.659,27.08) 9.865,26.868 ccw(c9.658,27.082) 9.88,26.884 ccw(c9.654,27.085) 9.91,26.925 ccw(c9.657,27.083) 9.922,26.945 ccw(c9.656,27.084) 9.956,27.081 ; 9.948,27.153 cw(c9.653,27.083) 9.955,27.101 ; -4.336,16.56 -0.014,16.573 -0.007,13.95 -4.329,13.937 -4.336,16.56 ; -0.616,0.79 0.644,0.79 0.644,0.89 0.894,0.89 0.894,0.74 0.994,0.74 0.994,0.89 1.244,0.89 1.244,0.74 1.344,0.74 1.344,0.89 1.594,0.89 1.594,0.74 1.694,0.74 1.694,0.89 1.944,0.89 1.944,0.74 2.044,0.74 2.044,0.89 2.294,0.89 2.294,0.74 2.394,0.74 2.394,0.89 2.644,0.89 2.644,0.79 3.904,0.79 3.904,2.47 2.644,2.47 2.644,2.37 2.394,2.37 2.394,2.52 2.294,2.52 2.294,2.37 2.044,2.37 2.044,2.52 1.944,2.52 1.944,2.37 1.694,2.37 1.694,2.52 1.594,2.52 1.594,2.37 1.344,2.37 1.344,2.52 1.244,2.52 1.244,2.37 0.994,2.37 0.994,2.52 0.894,2.52 0.894,2.37 0.644,2.37 0.644,2.47 -0.616,2.47 -0.616,0.79 ; 0.128,1.268 3.16,1.268 3.16,1.993 0.128,1.993 0.128,1.268 ; 6.987,28.061 8.005,26.339 9.382,27.154 8.364,28.875 6.987,28.061